# KiCad board pcb.kicad_pcb (continued)
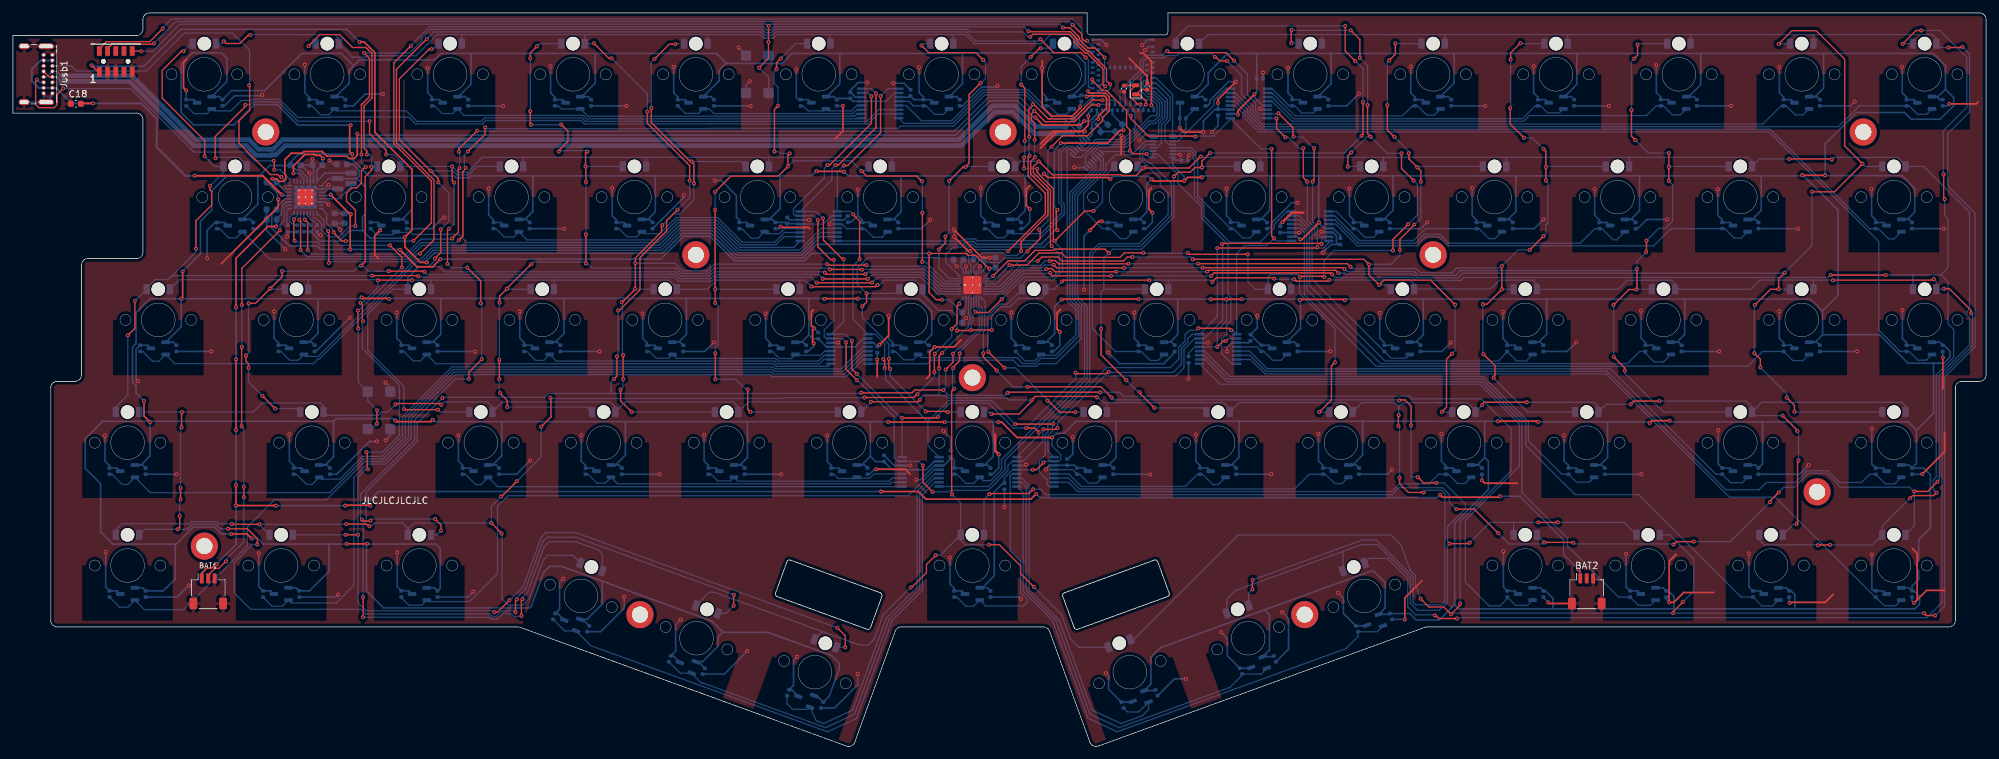
[diagram p0: board, top side]
## Routing (per net, layer and track width the routed paths; a pad name or vN(x,y) marks a point on that pad's centre or on a via; arc(x,y) is an arc through that point) (continued)
/ANA_62: length 92.3
  Bottom w0.2: MUXB4.7 142.56,40.81 140.63,38.89 140.63,24.11 135.96,19.44 130.45,4.3 125.96,2.21 89.35,15.53 TMR62.2 85.31,17.82 Cvout62.1
/ANA_63: length 72.9
  Bottom w0.2: MUXB4.6 142.48,41.46 140.2,39.19 140.2,24.3 135.46,19.56 135.46,19.54 130.15,4.94 125.66,2.85 106.74,9.74 106.47,9.74 TMR63.2 103.19,11.27 Cvout63.1
/ANA_64: length 55
  Bottom w0.2: MUXB4.5 142.53,42.11 139.8,39.37 139.8,24.54 135.01,19.76 129.85,5.58 125.36,3.49 124.23,3.9 TMR64.2 122.91,5.69 120.57,5.69 119.7,6.56 Cvout64.1
/ANA_65: length 34.6
  Bottom w0.2: MUXB8.12 154.51,42.11 154.2,41.8 154.2,30.22 155.8,28.62 155.8,24.28 155.79,24.27 155.79,23.73 156.77,22.75 156.77,22.24 156.21,21.68 150.4,21.68 TMR65.2 148.54,21.64 147.37,21.64 145.95,23.06 Cvout65.1
/ANA_66: length 55.6
  Bottom w0.2: Cvout66.1 172.34,5.29 174.09,5.29 TMR66.2 175.6,5.65 174.63,4.68 174.61,4.68 171.34,3.49 166.85,5.58 161.78,19.52 157.12,24.17 157.12,40.32 155.97,41.46 MUXB8.11
/ANA_67: length 70
  Bottom w0.2: MUXB8.10 155.97,40.81 156.67,40.12 156.67,24.06 161.26,19.46 166.55,4.94 171.04,2.85 188.18,9.09 190.04,10.95 Cvout67.1 192.99,11.14 TMR67.2
/ANA_68: length 89.3
  Bottom w0.2: MUXB8.9 156.21,39.19 156.21,23.95 160.75,19.41 166.25,4.3 170.74,2.21 206.11,15.08 207.99,16.96 Cvout68.1 210.94,17.69 TMR68.2
/ANA_69: length 94.8
  Bottom w0.2: TMR69.2 234.17,21.77 232.34,21.77 Cvout69.1 231.05,22.8 229.95,21.7 228.27,21.7 228.06,21.91 228.05,21.91 224.57,25.38 224.57,34.95 232.06,42.44 232.92,43.3 232.92,49.88 226.82,55.99 186.66,55.99 MUXB7.9
/ANA_70: length 93.7
  Bottom w0.2: TMR70.2 253.21,21.81 252.73,21.81 252.7,21.78 251.3,21.78 251.3,21.81 Cvout70.1 248.28,23.06 240.34,31 240.34,32.21 233.32,39.23 233.32,50.05 226.99,56.39 187.73,56.39 184.31,59.81 MUXB7.10
/ANA_71: length 108
  Bottom w0.2: MUXB7.11 184.22,60.46 187.9,56.79 227.15,56.79 233.93,50.01 233.93,46.54 241.56,38.91 251.42,38.91 251.42,38.87 267.23,23.06 Cvout71.1 269.06,23.06 270.42,21.7 272.1,21.7 TMR71.2
/ANA_72: length 118.9
  Bottom w0.2: MUXB7.7 191.38,59.81 193.6,57.59 246.35,57.59 251.89,52.05 251.89,51.99 252.38,51.51 252.43,51.51 265.43,38.51 272.52,38.51 287.97,23.06 Cvout72.1 289.39,21.72 291.12,21.72 TMR72.2
/CS0: length 166.3
  Top w0.2: v1(172.17,56.61) 168.26,60.52 v1(168.26,64.58) ; v1(174.21,54.78) 174.27,54.72 174.27,54.57 v1(176.51,52.33) ; v1(185.09,91.76) 183.84,90.5 183.84,89.53 v1(183.85,89.51) 182.75,89.51 182.02,88.79 180.18,88.79 v1(179.53,88.14) ; v1(169.47,76.27) 168.84,76.9 161.1,76.9 160.9,76.7 158.03,76.7 156.4,75.07 153.88,75.07 v1(151.56,72.75) ; v1(208.76,99.67) 208.76,94.65 v1(208.54,94.43) ; v1(206.01,111.42) 206.01,107.55 v1(207.57,105.99)
  Bottom w0.2: v1(176.51,52.33) 183.91,52.33 D53.1 ; v1(174.21,54.78) 174,54.78 v1(172.17,56.61) ; v1(168.26,64.58) 168.26,70.25 168.69,70.68 ; v1(206.01,111.42) 181.73,111.42 179.8,109.49 D9.1 ; v1(179.53,88.14) 179.53,81.92 174.5,76.89 170.08,76.89 168.69,75.5 168.69,70.68 ; v1(208.54,94.43) 205.87,91.76 v1(185.09,91.76) ; v1(183.85,89.51) 184.02,89.69 D24.1 ; D38.1 168.7,70.69 168.69,70.68 ; v1(151.56,72.75) 151.15,72.34 LEDDR1.2 ; v1(207.57,105.99) 208.76,104.8 v1(208.76,99.67)
/CS1: length 163.6
  Top w0.2: v1(190.96,76.09) 181.87,76.09 v1(181.65,76.31) ; v1(213.38,76.68) 213.38,78.39 v1(215.75,80.75) ; v1(209.93,94.29) 209.46,94.76 v1(209.46,99.18) ; v1(204.43,59.38) 203.88,58.83 203.88,53.57 v1(201.99,51.68) ; v1(197.71,110.82) 197.66,110.77 v1(197.66,108.79) ; v1(199.01,72.59) 199.11,72.68 202.68,72.68 v1(202.78,72.58) ; v1(208.27,106.48) 208.27,109.34 v1(206.86,110.75) ; v1(214.71,91.72) 214.71,89.38 v1(216.57,87.52) ; v1(206.94,91.87) 206.4,91.33 v1(206.4,89.64) ; v1(154.09,74.42) 156.79,74.42 158.67,76.3 162.13,76.3 162.81,75.62 171.17,75.62 171.87,76.32 v1(174.8,76.32)
  Bottom w0.2: v1(206.94,91.87) 209.36,94.29 v1(209.93,94.29) 212.5,91.72 v1(214.71,91.72) ; v1(206.4,89.64) 206.45,89.69 D25.1 ; D54.1 202,51.69 v1(201.99,51.68) ; v1(216.57,87.52) 217.18,86.91 217.18,82.19 v1(215.75,80.75) ; v1(174.8,76.32) 174.86,76.26 181.6,76.26 v1(181.65,76.31) ; LEDDR1.3 151.61,71.94 v1(154.09,74.42) ; v1(204.43,59.38) 204.43,64.53 198.95,70.01 198.95,72.53 v1(199.01,72.59) 198.63,72.98 194.46,72.98 194.05,72.57 D39.1 192.1,70.69 190.96,71.83 v1(190.96,76.09) ; v1(206.86,110.75) 197.78,110.75 v1(197.71,110.82) ; v1(208.27,106.48) 209.46,105.29 v1(209.46,99.18) ; v1(202.78,72.58) 202.72,72.64 202.72,75.09 204.31,76.68 v1(213.38,76.68) ; v1(197.66,108.79) 198.7,108.79 D10.1
/CS2: length 157.1
  Top w0.2: v1(220.94,51.72) 221.67,52.45 221.67,59.86 v1(222.53,60.72) ; v1(216.67,80.71) 216.67,80.62 214.46,78.41 v1(214.46,76.76) ; v1(182.44,75.32) 208.91,75.32 v1(209.68,74.55) 209.68,72.93 v1(211.25,71.36) 211.98,72.09 219.2,72.09 v1(222.99,68.3) ; v1(215.84,91.73) 215.84,90.87 v1(217.16,89.55) 217.7,89.01 v1(217.7,87.34) ; v1(158.45,75.04) 159.08,75.67 161.6,75.67 162.22,75.05 171.71,75.05 172.33,75.67 v1(173.11,75.67) ; v1(212.8,106.09) 213.75,107.04 v1(213.75,108.73) ; v1(212.52,99.18) 212.52,95.33 v1(213.62,94.23)
  Bottom w0.2: v1(217.16,89.55) 217.3,89.69 D26.1 ; v1(213.75,108.73) 213.79,108.69 D11.1 ; D40.1 212.38,71.36 v1(211.25,71.36) ; v1(220.94,51.72) 220.97,51.69 D55.1 ; v1(212.8,106.09) 212.52,105.81 v1(212.52,99.18) ; v1(173.11,75.67) 182.09,75.67 v1(182.44,75.32) ; v1(222.99,68.3) 222.99,61.18 v1(222.53,60.72) ; v1(214.46,76.76) 214.46,75.94 213.07,74.55 v1(209.68,74.55) ; LEDDR1.4 152.1,71.54 155.6,75.04 v1(158.45,75.04) ; v1(215.84,91.73) 215.84,92.01 v1(213.62,94.23) ; v1(217.7,87.34) 217.7,81.65 216.76,80.71 v1(216.67,80.71)
/CS3: length 174.5
  Top w0.2: v1(172.48,74.63) 161.68,74.63 161.18,75.13 160.36,75.13 v1(160.3,75.06) ; v1(228.96,56.94) 228.96,57.22 229.16,57.42 229.16,58.87 v1(227.38,60.65) ; v1(237.04,87.51) v1(237.04,89.6) 237.04,92.03 v1(236.7,92.37) ; v1(206.83,74.16) 206.35,74.64 v1(183.28,74.64) ; v1(233.64,94.12) 231.52,96.24 v1(231.52,98.76) ; v1(236.67,78.91) v1(234.53,76.76) ; v1(233.1,108.77) 231.59,107.26 v1(231.59,106.23) ; v1(227.29,68.37) 227.91,68.37 v1(230.22,70.68) 230.22,74.25 v1(230.21,74.26)
  Bottom w0.2: v1(227.38,60.65) 227.29,60.74 v1(227.29,68.37) ; LEDDR1.5 152.6,71.14 155.85,74.39 158.94,74.39 159.61,75.06 v1(160.3,75.06) ; D41.1 230.23,70.69 v1(230.22,70.68) ; v1(231.52,98.76) 231.59,98.83 v1(231.59,106.23) ; D12.1 233.18,108.69 v1(233.1,108.77) ; D27.1 237.13,89.69 v1(237.04,89.6) ; v1(236.67,78.91) 237.04,79.28 237.04,80.68 237.33,80.97 237.33,87.22 v1(237.04,87.51) ; D56.1 234.21,51.69 v1(228.96,56.94) ; v1(234.53,76.76) 232.72,76.76 v1(230.21,74.26) 229.93,73.98 223.27,73.98 222.54,73.25 217.65,73.25 217.01,73.89 207.1,73.89 v1(206.83,74.16) ; v1(233.64,94.12) 234.95,94.12 v1(236.7,92.37) ; v1(183.28,74.64) 183.27,74.63 v1(172.48,74.63)
/CS4: length 199.8
  Top w0.2: v1(252.53,76.41) 252.59,76.47 v1(252.59,78.21) ; v1(171.83,74) 161.39,74 v1(160.91,74.48) ; v1(249.23,58.11) 249.23,58.52 v1(247.53,60.22) ; v1(256.05,87.45) v1(256.05,89.6) v1(256.05,91.76) ; v1(251.21,108.54) 251.21,106.89 v1(250.67,106.35) ; v1(205.89,73.81) 205.68,74.02 v1(183.95,74.02) ; v1(250.27,98.41) 250.27,94.38 v1(250.89,93.76) ; v1(251.11,73.83) 251.11,70.69 v1(251.06,70.64) 249.87,70.64 v1(247.47,68.24)
  Bottom w0.2: v1(205.89,73.81) 206.26,73.44 216.69,73.44 217.28,72.85 223.1,72.85 223.83,73.58 250.86,73.58 v1(251.11,73.83) 251.11,74.99 v1(252.53,76.41) ; v1(256.05,89.6) 256.14,89.69 D28.1 ; v1(250.67,106.35) 250.27,105.95 v1(250.27,98.41) ; v1(250.89,93.76) 252.89,91.76 v1(256.05,91.76) ; v1(249.23,58.11) 249.23,57.69 255.24,51.69 D57.1 ; v1(160.91,74.48) 160.86,74.42 159.54,74.42 159.1,73.99 156.01,73.99 152.76,70.74 LEDDR1.6 ; D13.1 251.36,108.69 v1(251.21,108.54) ; D42.1 251.11,70.69 v1(251.06,70.64) ; v1(171.83,74) 171.85,74.02 v1(183.95,74.02) ; v1(247.53,60.22) 247.53,68.18 v1(247.47,68.24) ; v1(256.05,87.45) 256.62,86.88 256.62,81.22 255.5,80.1 254.48,80.1 v1(252.59,78.21)
/CS5: length 227.5
  Top w0.2: v1(170.61,73.39) 161.15,73.39 160.66,73.88 159.84,73.88 v1(159.77,73.81) ; v1(274.27,53.93) 275.47,52.73 v1(275.47,51.72) ; v1(184.63,73.41) 184.84,73.62 204.52,73.62 v1(204.96,73.18) ; v1(273.02,108.62) 275.09,110.69 278.82,110.69 283.24,106.27 283.24,92.86 v1(286,90.1) 281.67,85.77 v1(278.19,85.77) ; v1(269.34,68.25) 271.77,70.68 v1(273.03,70.68) 273.03,72.31 v1(273.96,73.24) ; v1(270.2,58.59) 270.2,59.87 v1(269.27,60.8)
  Bottom w0.2: v1(170.61,73.39) 184.61,73.39 v1(184.63,73.41) ; v1(275.47,51.72) 275.5,51.69 D58.1 ; v1(274.27,53.93) 274.27,54.52 v1(270.2,58.59) ; D29.1 286.41,89.69 v1(286,90.1) ; v1(159.77,73.81) 159.55,73.59 156.18,73.59 152.93,70.34 LEDDR1.7 ; v1(273.03,70.68) 273.04,70.69 D43.1 ; v1(278.19,85.77) 278.19,77.47 v1(273.96,73.24) 273.9,73.18 224.19,73.18 223.46,72.45 217.11,72.45 216.52,73.04 206.09,73.04 205.95,73.18 v1(204.96,73.18) ; v1(269.27,60.8) 269.27,68.18 v1(269.34,68.25) ; D14.1 273.09,108.69 v1(273.02,108.62)
/CS6: length 271.4
  Top w0.2: v1(298.54,88.48) 298.54,84.78 v1(298.7,84.62) ; v1(279.1,31.08) 279.14,31.13 v1(281,31.13) ; v1(297.42,39.2) 296.98,38.76 293.76,38.76 v1(293.36,38.36) ; v1(295.09,110.72) 294.27,110.72 v1(292.2,108.65) ; v1(281.07,72.89) 281.08,72.88 v1(289.58,72.88) ; v1(169.79,72.77) 160.71,72.77 160.39,73.08 v1(160.39,73.23) ; v1(185.27,72.76) 185.73,73.22 203.77,73.22 v1(204.01,72.98)
  Bottom w0.2: D44.1 293.8,72.89 293.79,72.9 ; v1(295.09,110.72) 297.95,110.72 302.13,106.54 302.13,98.84 298.48,95.2 298.48,88.54 v1(298.54,88.48) ; v1(169.79,72.77) 169.8,72.76 v1(185.27,72.76) ; 298.1,72.9 298.13,72.9 299.22,71.8 299.22,65.33 300.09,64.47 300.09,60.16 297.39,57.46 297.39,41.63 296.94,41.18 296.94,39.68 v1(297.42,39.2) ; 298.1,72.9 299.19,73.99 299.19,81.62 298.7,82.11 v1(298.7,84.62) ; 298.1,72.9 293.79,72.9 ; v1(279.1,31.08) 279.04,31.14 270.8,31.14 270.05,31.89 D71.1 ; v1(289.58,72.88) 289.6,72.9 293.79,72.9 ; v1(204.01,72.98) 204.48,72.51 216.46,72.51 216.92,72.05 223.9,72.05 224.36,72.51 280.69,72.51 v1(281.07,72.89) ; v1(292.2,108.65) 292.24,108.69 D15.1 ; LEDDR1.8 153.11,69.94 156.3,73.13 160.29,73.13 v1(160.39,73.23) ; v1(281,31.13) 287.49,31.13 D72.1 289.05,34.05 v1(293.36,38.36)
/CS7: length 197.8
  Top w0.2: v1(225.23,31.47) 225.09,31.33 v1(222.13,31.33) ; v1(214.35,53.48) 214.44,53.57 215.23,53.57 216.19,52.61 v1(216.19,49.6) ; v1(150.05,60.78) 150.05,60.18 v1(152.12,58.11) ; v1(156.86,55.59) 168.23,55.59 v1(169.9,53.92) ; v1(220.1,40.73) 218.13,40.73 v1(217.22,41.64) ; v1(235.88,34.61) 238.85,34.61 v1(238.86,34.61)
  Bottom w0.2: v1(220.1,40.73) 221.3,40.73 224.6,37.43 224.6,36.74 221.83,33.97 221.83,31.63 v1(222.13,31.33) 221.82,31.02 221.82,22.26 220.57,21.01 217.17,21.01 216.07,22.11 216.07,26.07 210.96,31.18 208.57,31.18 205.66,30.12 ; v1(214.35,53.48) 214.26,53.57 170.25,53.57 v1(169.9,53.92) ; 232.08,34.61 232.05,34.58 D69.1 ; 232.08,34.61 228.37,34.61 v1(225.23,31.47) ; 232.08,34.61 v1(235.88,34.61) ; 205.66,30.12 205.66,27.11 D68.1 ; 205.66,30.12 189.01,24.06 187.68,22.73 D67.1 ; D70.1 249.13,34.61 v1(238.86,34.61) ; v1(150.05,60.78) 150.05,64.08 150.23,64.26 150.23,66.47 150.32,66.57 150.32,68.78 LEDDR1.9 ; v1(216.19,49.6) 216.19,41.67 216.22,41.64 v1(217.22,41.64) ; v1(156.86,55.59) 156.84,55.57 154.66,55.57 v1(152.12,58.11)
/CS8: length 125.8
  Top w0.2: v1(145.37,58.48) 145.37,58.61 146.36,59.6 146.36,60.72 v1(146.4,60.76) ; v1(145.56,55.3) 145.15,54.89 145.15,38.99 v1(145.21,38.93) ; v1(142.69,29.54) 141.25,28.1 141.25,26.84 138.94,24.53 v1(138.83,24.53) ; v1(150.9,31.16) 152.54,31.16 155.81,27.89 155.81,26.69 v1(157.89,24.61)
  Bottom w0.2: v1(150.9,31.16) 147.28,31.16 146.55,31.89 D65.1 ; D64.1 123.93,16.52 125.14,17.72 ; v1(146.4,60.76) 146.4,61 149.81,64.41 149.81,66.62 149.92,66.73 149.92,67.6 149.35,68.17 LEDDR1.10 ; v1(157.89,24.61) 162.25,20.25 162.25,20.1 163.54,16.56 164.81,15.28 D66.1 ; 125.14,17.72 130.85,15.65 132.25,15.65 133.2,16.6 134.56,20.35 138.74,24.53 v1(138.83,24.53) ; 125.14,17.72 108.42,23.81 107.68,23.81 D63.1 ; v1(145.56,55.3) 145.3,55.55 145.3,58.41 v1(145.37,58.48) ; v1(145.21,38.93) 146.55,37.59 D65.1 ; v1(142.69,29.54) 143.4,29.54 D65.1
/CS9: length 193.3
  Top w0.2: v1(77.92,40.98) 75.56,38.62 v1(75.48,38.62) ; v1(38.12,34.32) 33.87,34.32 v1(33.84,34.34) ; v1(131.66,53.94) 139.29,53.94 139.8,54.45 v1(139.88,54.45) ; v1(146.33,68.42) 146.01,68.1 146.01,65.39 v1(145.16,64.54) ; v1(83.11,53.91) 83.2,53.82 83.2,50.93 v1(81.68,49.41) ; v1(73.98,34.53) 75.55,32.96 v1(75.55,32.89) ; v1(51.54,34.35) 54.67,34.35 54.79,34.23 54.93,34.23 v1(55.13,34.04) ; v1(142.55,60.72) 142.48,60.65 v1(142.48,57.83)
  Bottom w0.2: v1(142.55,60.72) 145.16,63.33 v1(145.16,64.54) ; LEDDR1.16 146.33,68.73 v1(146.33,68.42) ; D62.1 86.56,29.51 82.72,29.51 82.02,28.82 79.85,22.87 78.78,21.8 76.6,21.8 75.62,22.78 75.62,32.82 v1(75.55,32.89) ; v1(139.88,54.45) 139.88,54.53 142.48,57.13 v1(142.48,57.83) ; v1(77.92,40.98) 81.68,44.74 v1(81.68,49.41) ; D60.1 38.12,34.24 v1(38.12,34.32) 51.51,34.32 v1(51.54,34.35) ; v1(83.11,53.91) 83.24,53.78 94.24,53.78 94.25,53.79 119.11,53.79 119.24,53.92 130.98,53.92 131,53.94 v1(131.66,53.94) ; v1(33.84,34.34) 33.79,34.4 31.84,34.4 31.52,34.71 27.56,34.71 27.24,34.4 16.84,34.4 15.93,33.49 D59.1 ; v1(55.13,34.04) 55.4,34.04 55.89,34.53 60.22,34.53 61.05,33.7 D61.1 61.05,33.55 62.03,34.53 v1(73.98,34.53) 73.98,37.12 v1(75.48,38.62)
/CS10: length 196.4
  Top w0.2: v1(132.84,71.73) 132.79,71.68 124.29,71.68 v1(124.27,71.7) ; v1(29.64,91.26) 29.64,93.69 23.07,100.25 23.07,104.54 26.07,107.54 v1(26.4,107.54) ; v1(17.76,63.56) 18.85,64.65 v1(18.85,68.87) ; v1(55.54,72.79) 62.6,72.79 v1(62.7,72.69) ; v1(30.47,86.69) 30.47,86.07 30.73,85.82 30.73,83.7 28.3,81.27 v1(28.3,76.98)
  Bottom w0.2: v1(29.64,91.26) 31.21,89.69 D16.1 32.55,88.77 v1(30.47,86.69) ; v1(62.7,72.69) 62.82,72.57 102.26,72.57 102.89,71.94 108.06,71.94 108.69,72.57 123.4,72.57 v1(124.27,71.7) ; 24.62,72.79 24.01,72.18 21.98,72.18 20.67,70.87 D30.1 18.86,68.87 v1(18.85,68.87) ; 24.62,72.79 v1(55.54,72.79) ; 24.62,72.79 28.3,76.46 v1(28.3,76.98) ; LEDDR1.17 143.01,69.94 140.42,72.53 133.64,72.53 v1(132.84,71.73) ; D1.1 27.55,108.69 v1(26.4,107.54) ; D45.1 15.93,52.49 17.76,54.32 v1(17.76,63.56)
/CS11: length 189.3
  Top w0.2: v1(40.56,52.24) 40.53,52.24 v1(38.58,54.19) ; v1(63.64,73.39) 63.55,73.48 v1(58.08,73.48) ; v1(54.72,91.54) 54.72,92.09 54.29,92.52 54.29,99.06 55.53,100.3 55.53,107.13 54.57,108.09 52.5,108.09 50.5,110.09 47.48,110.09 v1(45.72,108.32) ; v1(53.83,74.34) 54.48,74.98 54.48,88.11 55.46,89.09 v1(55.46,89.61) 55.45,89.6 55.33,89.6 55.15,89.79 ; v1(36.43,68.5) 37.5,68.5 v1(39.81,70.81) 41.62,72.62 v1(41.62,73.49) ; v1(125.21,72.31) 125.23,72.29 v1(132.17,72.29) ; v1(36.42,58.51) 36.42,59.19 36.01,59.59 v1(36.01,60.43)
  Bottom w0.2: D17.1 55.53,89.69 v1(55.46,89.61) 55.46,91.26 55.18,91.54 v1(54.72,91.54) ; v1(38.58,54.19) 36.42,56.35 v1(36.42,58.51) ; v1(58.08,73.48) 54.95,73.48 54.09,74.34 v1(53.83,74.34) 53.57,74.34 52.72,73.49 v1(41.62,73.49) ; v1(132.17,72.29) 132.81,72.93 140.69,72.93 143.28,70.34 LEDDR1.18 ; D31.1 39.93,70.69 v1(39.81,70.81) ; v1(63.64,73.39) 64.06,72.97 102.43,72.97 103.06,72.34 107.9,72.34 108.53,72.97 124.55,72.97 v1(125.21,72.31) ; v1(40.56,52.24) 43.88,52.24 D46.1 ; v1(36.43,68.5) 36.43,60.84 v1(36.01,60.43) ; v1(45.72,108.32) 46.08,108.69 D2.1
/CS12: length 184.2
  Top w0.2: v1(131.83,73.02) 131.81,73 125.8,73 v1(125.53,73.26) ; v1(64.75,107.84) 64.37,107.84 59.75,103.22 59.75,93.84 v1(64.6,88.99) 65.77,87.82 v1(65.77,87.22) ; v1(60.45,52.14) 60.54,52.05 v1(65.74,52.05) ; v1(66.15,79.94) 66.15,76.34 v1(65.25,75.44)
  Bottom w0.2: LEDDR1.19 143.45,70.74 140.86,73.33 132.14,73.33 v1(131.83,73.02) ; D3.1 64.95,107.84 v1(64.75,107.84) ; 62.77,74.19 64.28,74.19 65.25,75.16 v1(65.25,75.44) 65.25,75.43 ; 62.77,74.19 65.87,74.19 66.68,73.38 102.58,73.38 103.22,72.74 107.73,72.74 108.37,73.38 125.42,73.38 v1(125.53,73.26) ; 62.77,74.19 61.05,72.47 ; 62.77,74.19 61.05,72.47 ; D32.1 58.74,70.69 54.85,66.79 54.85,61.26 60.45,55.66 v1(60.45,52.14) ; D32.1 61.05,72.47 ; D32.1 61.05,72.47 ; v1(65.77,87.22) 67.4,85.59 67.4,81.19 v1(66.15,79.94) ; D47.1 66.1,51.69 v1(65.74,52.05) ; D18.1 71.7,89.69 70.38,88.37 68.67,88.37 68.05,88.99 v1(64.6,88.99)
/CS13: length 164.7
  Top w0.2: v1(75.21,59.78) v1(75.21,56.78) ; v1(126.32,73.76) 126.33,73.75 131.22,73.75 v1(131.26,73.71) ; v1(88.6,79.17) v1(88.6,74.67) ; v1(80,106.41) 80,107.24 v1(81.03,108.27) ; v1(84.4,91.98) 84.4,92.14 85.82,93.56 85.82,95.14 v1(84.79,96.17) ; v1(76.43,52.46) 76.43,53.48 75.35,54.55 v1(75.35,54.62) ; v1(75.24,68.61) 75.24,69.62 v1(76.38,70.76) 76.38,70.81 v1(80.17,74.6) ; v1(88.8,91.98) 88.64,91.98 88.54,91.88 v1(88.54,89.71) 88.6,89.65 v1(88.6,87.27) ; v1(79.99,98.23) 79.99,96.28 v1(80.13,96.13)
  Bottom w0.2: v1(75.35,54.62) 75.18,54.79 75.18,56.75 v1(75.21,56.78) ; LEDDR1.20 143.63,71.14 141.02,73.75 131.3,73.75 v1(131.26,73.71) ; v1(76.38,70.76) 76.45,70.69 D33.1 ; v1(88.6,79.17) v1(88.6,87.27) ; v1(81.03,108.27) 81.45,108.69 D4.1 ; v1(88.8,91.98) 88.64,92.14 84.56,92.14 v1(84.4,91.98) ; v1(79.99,98.23) 80,98.25 v1(80,106.41) ; D19.1 88.56,89.69 v1(88.54,89.71) ; v1(80.17,74.6) 80.49,74.92 88.35,74.92 v1(88.6,74.67) 88.86,74.67 89.58,73.95 102.57,73.95 103.39,73.14 107.57,73.14 108.38,73.95 126.12,73.95 v1(126.32,73.76) ; D48.1 88.78,52.46 v1(76.43,52.46) ; v1(84.79,96.17) 84.76,96.13 v1(80.13,96.13) ; v1(75.24,68.61) 75.21,68.58 v1(75.21,59.78)
/CS14: length 146
  Top w0.2: v1(125.87,74.58) 126.04,74.41 v1(131.96,74.41) ; v1(93.96,55.16) 93.96,53.43 v1(95.7,51.69) ; v1(94.35,56.77) 94.35,60.49 v1(94.36,60.5) ; v1(102.45,108.59) 101.48,108.59 v1(99.19,106.3) ; v1(98.71,98.74) 98.71,96.48 104.74,90.45 v1(104.93,90.45) 105.3,90.07 v1(105.3,87.04) ; 94.32,68.8 96.18,70.66 v1(96.18,70.76) 96.24,70.81 96.24,75.53 100.29,79.58 100.29,80.48 v1(100.41,80.6)
  Bottom w0.2: v1(94.12,68.7) 94.24,68.58 94.24,60.62 v1(94.36,60.5) ; v1(131.96,74.41) 132.1,74.27 141.09,74.27 143.82,71.54 LEDDR1.21 ; D20.1 112.54,90.45 v1(104.93,90.45) ; v1(99.19,106.3) 98.71,105.82 v1(98.71,98.74) ; D34.1 96.25,70.69 v1(96.18,70.76) ; D5.1 102.55,108.69 v1(102.45,108.59) ; v1(105.3,87.04) 105.3,84.54 103.1,82.34 102.15,82.34 v1(100.41,80.6) ; v1(125.87,74.58) 108.44,74.58 107.4,73.54 103.55,73.54 102.39,74.7 v1(96.24,74.7) ; v1(94.35,56.77) 94.35,55.55 v1(93.96,55.16) ; D49.1 v1(95.7,51.69)
/CS15: length 142.9
  Top w0.2: v1(108.6,60.79) 108.6,56.77 v1(108.61,56.76) ; v1(120.1,91.71) 119.83,91.44 v1(119.83,89.69) 118.32,88.18 111,88.18 v1(108.57,85.75) ; v1(117.75,91.98) 117.75,98.51 v1(118.29,99.05) ; v1(108.57,82.99) v1(108.57,70.7) 108.59,70.69 v1(108.59,68.57) ; v1(118.74,106.4) 118.08,105.73 v1(118.08,104.72) ; v1(140.54,87.39) 139.71,88.22 131.99,88.22 v1(131.21,89) ; v1(114.04,51.71) 113.62,52.13 v1(113.62,55.21) ; v1(140.63,82.51) 140.63,74.96 v1(140.58,74.92)
  Bottom w0.2: D35.1 108.59,70.69 v1(108.57,70.7) ; v1(108.6,60.79) 108.59,60.8 108.59,61.66 109.04,62.11 109.04,68.12 v1(108.59,68.57) ; LEDDR1.22 144.1,71.94 141.12,74.92 v1(140.58,74.92) ; v1(118.29,99.05) 118.29,101.96 117.68,102.57 117.68,104.33 v1(118.08,104.72) ; v1(113.62,55.21) 113.5,55.09 113.45,55.09 111.78,56.76 v1(108.61,56.76) ; D50.1 114.06,51.69 v1(114.04,51.71) ; v1(140.63,82.51) 140.63,87.3 v1(140.54,87.39) ; v1(108.57,85.75) v1(108.57,82.99) ; v1(119.83,89.69) 120.69,90.55 129.66,90.55 v1(131.21,89) 131.61,89 D21.1 ; v1(120.1,91.71) 118.66,91.71 118.39,91.98 v1(117.75,91.98) ; v1(118.74,106.4) 121.03,108.69 D6.1
/CS16: length 106.6
  Top w0.2: v1(143.17,76.84) 144.18,77.85 v1(144.18,78.85) ; v1(150.03,106.16) 148.9,107.28 141.6,107.28 v1(140.49,108.4) ; v1(149.61,102.58) 147.85,100.81 147.85,90.18 v1(147.29,89.62) 146.93,89.62 v1(144.76,87.45) ; v1(132,70.04) 132,68.7 v1(131.33,68.03) ; v1(135.44,59.94) 135.44,58.54 v1(135.64,58.34) ; v1(144.55,51.69) 144.45,51.79 v1(141.14,51.79)
  Bottom w0.2: 143.17,75.56 v1(143.17,76.84) ; 143.17,75.56 143.16,75.57 132.2,75.57 130.54,73.91 130.54,71.5 v1(132,70.04) 136.4,70.04 D36.1 ; 143.17,75.56 143.17,73.97 144.8,72.34 LEDDR1.23 ; v1(147.29,89.62) 147.36,89.69 D22.1 ; v1(135.44,59.94) 135.44,62.2 131.33,66.31 v1(131.33,68.03) ; v1(144.18,78.85) 144.76,79.43 v1(144.76,87.45) ; v1(135.64,58.34) 135.64,57.29 v1(141.14,51.79) ; D7.1 140.78,108.69 v1(140.49,108.4) ; v1(150.03,106.16) 150.39,105.8 150.39,103.27 149.7,102.58 v1(149.61,102.58) ; D51.1 v1(144.55,51.69)
/CS17: length 119.7
  Top w0.2: v1(153.34,58.53) 153.3,58.53 v1(150.82,61.01) ; v1(158.38,89.3) 158.38,88.75 160.88,86.25 160.88,78.33 v1(161.08,78.13) ; v1(161.08,78.13) 160.95,78.13 160.88,78.06 ; v1(161.08,78.13) 165.75,82.8 v1(167.09,82.8) ; v1(158.91,107.99) 158.75,107.99 v1(157.37,106.61) ; v1(156.33,89.38) 156.33,89.38 v1(156.33,91.08) ; v1(164.3,51.66) 161.86,51.66 160.07,53.45 v1(159.98,53.45) ; v1(155.9,102.34) 156.46,101.78 v1(156.46,93.62)
  Bottom w0.2: v1(157.37,106.61) 155.9,105.14 v1(155.9,102.34) ; v1(158.38,89.3) 158.31,89.37 156.34,89.37 v1(156.33,89.38) ; LEDDR1.24 144.25,74.85 144.25,76.04 145.42,77.21 147.17,77.21 147.59,77.63 148.45,77.63 148.87,77.21 159.43,77.21 160.35,78.13 v1(161.08,78.13) 161.08,77.99 162.3,76.77 162.3,73.53 160.88,72.11 156.67,72.11 156.05,71.49 D37.1 153.75,68.39 152.61,68.39 150.72,66.5 150.72,61.11 v1(150.82,61.01) ; D23.1 168.48,87.86 168.48,84.18 v1(167.09,82.8) ; v1(156.46,93.62) 156.46,91.2 v1(156.33,91.08) ; v1(158.91,107.99) 160.1,107.99 D8.1 ; v1(159.98,53.45) 159.98,53.54 154.99,58.53 v1(153.34,58.53) ; v1(164.3,51.66) 165.52,51.66 D52.1
/GPIO_X: length 163.8
  Top w0.2: v1(54.56,89.61) 54.48,89.61 53.88,89.01 53.88,87.12 53.15,86.39 52.42,86.39 51.57,85.54 51.57,84.31 52.96,82.93 v1(52.96,80.46) ; v1(168.89,102.09) 168.8,102.09 168.56,102.32 168.56,104.78 166.14,107.2 165.84,107.2 164.1,108.94 164.1,109.34 163.3,110.14 157.7,110.14 v1(157.3,109.74) ; v1(54.3,107.24) 55.13,106.41 55.13,100.48 53.88,99.24 53.89,99.23 v1(53.89,91.54)
  Bottom w0.2: v1(157.3,109.74) 156.95,109.74 156.2,110.49 147.98,110.49 147.57,110.9 117.79,110.9 117.26,110.37 116.4,110.37 115.87,110.9 64.57,110.9 63.21,109.53 63.21,109.09 61.35,107.24 v1(54.3,107.24) ; v1(54.56,89.61) 53.89,90.28 v1(53.89,91.54) ; v1(52.96,80.46) 52.1,80.46 50.44,78.8 48.76,78.8 47.71,79.85 47.71,80.84 46.89,81.67 46.48,81.67 PMIC1.10 ; v1(168.89,102.09) 168.89,101.92 168.35,101.39 MDBT1.38
/INT: length 170.1
  Top w0.2: 49.55,79.46 49.56,79.46 ; 49.55,79.46 49.56,79.45 ; 49.55,79.46 50.88,78.14 v1(51.45,78.14) ; 49.55,79.46 49.56,79.46 ; 49.56,79.46 v1(49.6,79.5) 49.56,79.46 ; v1(169.64,102.39) 169.1,102.93 169.1,104.8 166.31,107.6 166,107.6 164.5,109.1 164.5,109.5 163.47,110.54 157.07,110.54 v1(157.02,110.59) ; v1(61.54,108.34) 58.9,105.7 58.9,93.22 64.7,87.42 64.7,80.96 v1(61.92,78.18)
  Bottom w0.2: v1(49.6,79.5) 49.6,79.77 48.51,80.86 48.51,82.35 PMIC1.8 ; v1(61.54,108.34) 61.54,108.43 64.41,111.3 116.03,111.3 116.56,110.77 117.1,110.77 117.63,111.3 156.31,111.3 v1(157.02,110.59) ; MDBT1.36 168.46,100.59 169.64,101.77 v1(169.64,102.39) ; v1(61.92,78.18) 61.88,78.14 v1(51.45,78.14)
/LED_DR_EN: length 46.2
  Top w0.2: v1(158.68,79.92) 158.85,79.75 158.85,78.54 v1(156.85,76.55) ; v1(166.22,101.33) 166.22,101.21 166.4,101.04 168.92,101.04 169.53,100.43 169.53,98.26 168.47,97.21 168.47,96.75 166.16,94.44 162.3,94.44 v1(160.6,92.74)
  Bottom w0.2: LEDDR1.32 150.34,73.92 150.34,75.06 C33.1 150.59,74.81 152.56,74.81 153.24,75.5 155.8,75.5 v1(156.85,76.55) ; v1(158.68,79.92) 160.04,81.27 160.04,92.17 v1(160.6,92.74) ; v1(166.22,101.33) 166.22,101.21 166.45,100.99 MDBT1.37
/LOADSW_CTRL: length 171.8
  Top w0.2: v1(48.77,79.69) 48.84,79.61 v1(48.84,74.74) ; v1(63.99,109.39) 59.3,104.7 59.3,93.39 65.1,87.59 65.1,78.33 v1(62.95,76.18) ; v1(165.87,106.55) 165.14,107.28 160.95,107.28 v1(158.87,109.37)
  Bottom w0.2: PMIC1.9 48.11,81.35 48.11,80.35 v1(48.77,79.69) ; MDBT1.39 166.68,101.79 166.49,101.98 166.3,101.98 166.3,106.12 v1(165.87,106.55) ; v1(48.84,74.74) 49.04,74.94 61.3,74.94 62.55,76.18 v1(62.95,76.18) ; v1(63.99,109.39) 65.09,110.5 115.7,110.5 116.23,109.97 117.43,109.97 117.96,110.5 147.41,110.5 148.82,109.09 158.59,109.09 v1(158.87,109.37)
/MUX_B_1: length 34.6
  Bottom w0.2: MUXB1.8 137.78,96.35 145.31,96.35 150.11,101.15 156.75,101.15 160.86,97.03 162.56,97.03 165.01,94.58 165.01,93.75 MUXA1.14 165.5,93.26
/MUX_B_2: length 49.7
  Bottom w0.2: MUXB2.8 146.92,78.16 147.23,78.48 148.81,78.48 149.09,78.2 158.46,78.2 162.43,82.16 162.43,82.16 162.56,82.29 162.56,83.87 162.13,84.3 162.13,91.9 163.01,92.78 163.86,92.78 164.44,92.2 MUXA1.11
/MUX_B_3: length 65
  Bottom w0.2: MUXB3.8 141.4,59.16 141.94,59.71 154.67,59.71 155.59,58.79 158.31,58.79 158.69,59.16 161.28,59.16 165.18,63.06 165.18,67.84 163.83,69.19 163.83,85.5 167.46,89.13 167.46,89.89 MUXA1.5
/MUX_B_4: length 67.8
  Bottom w0.2: MUXB4.8 150.85,40.16 153.4,42.71 153.4,44.19 166.09,56.88 166.09,68.07 164.63,69.53 164.63,85.17 168.62,89.16 168.62,90.87 168,91.49 MUXA1.2
/MUX_B_5: length 12.7
  Bottom w0.2: MUXA2.11 180.13,93.58 185.71,99.16 185.71,99.92 187.5,101.71 MUXB5.8
